# KiCad board Register File.kicad_pcb (continued)
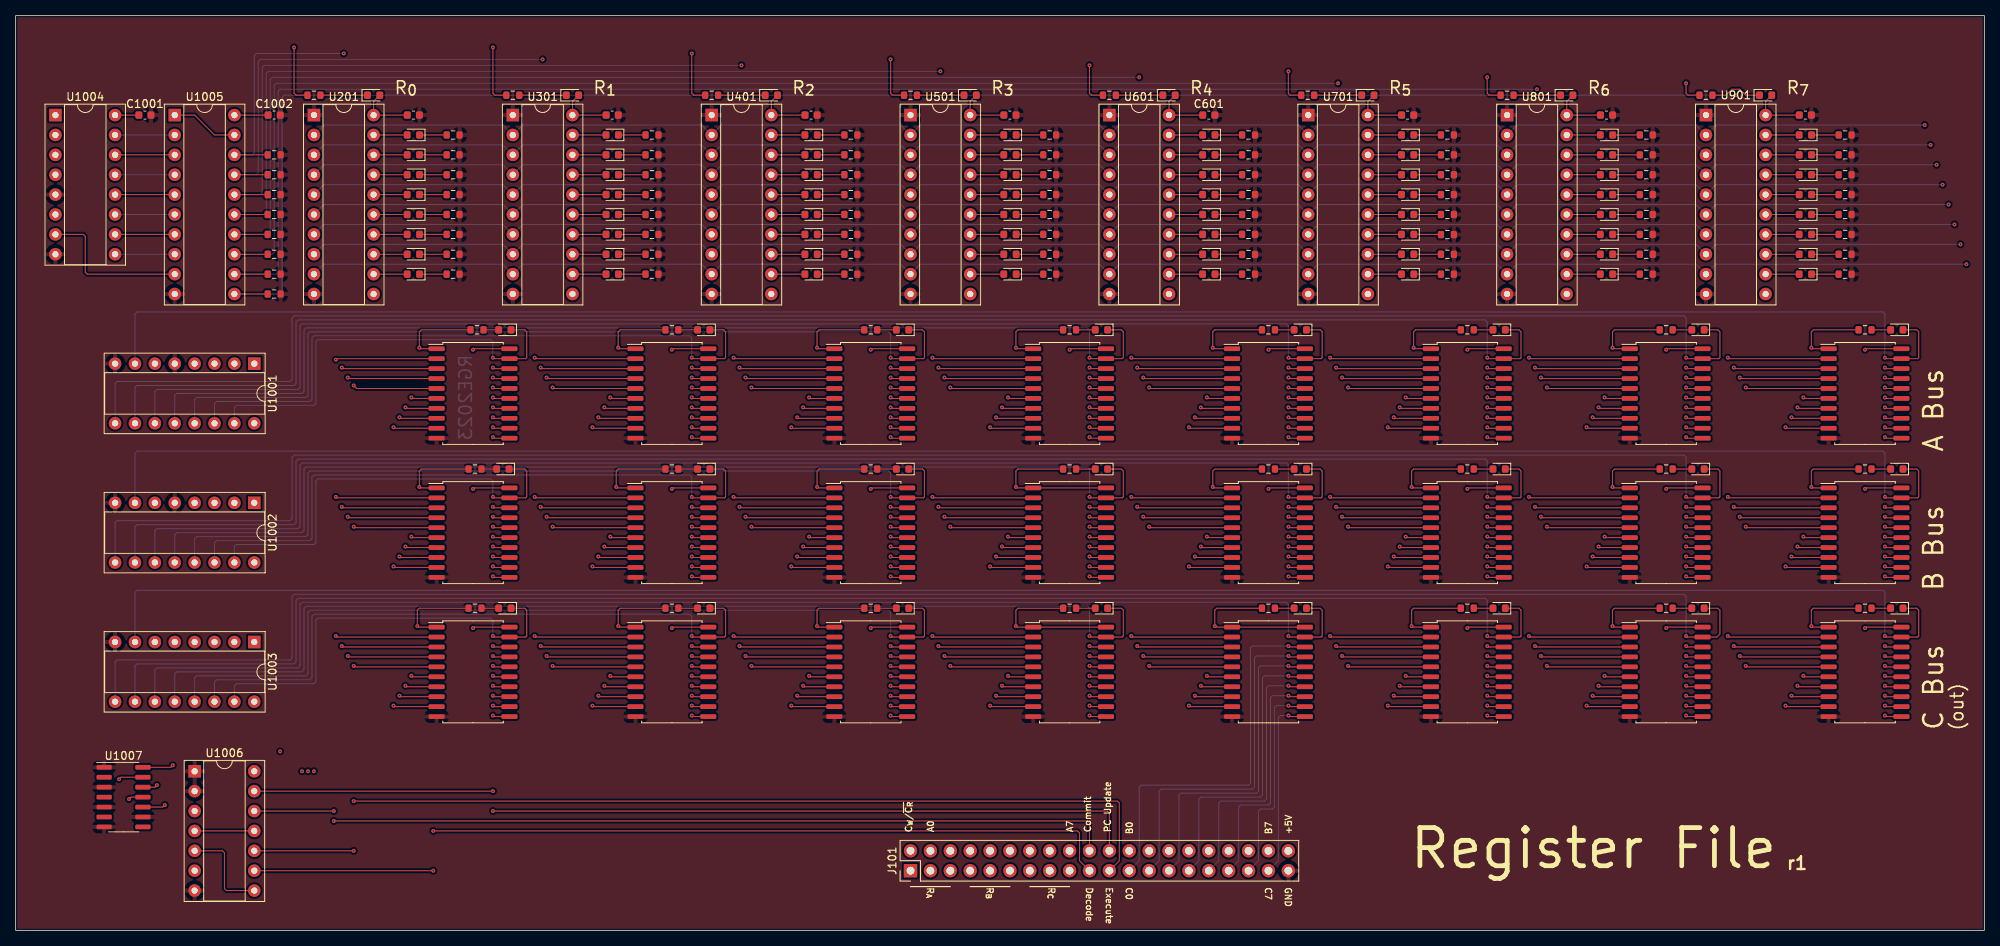
[diagram p0: board, top side]
## Routing (per net, layer and track width the routed paths; a pad name or vN(x,y) marks a point on that pad's centre or on a via; arc(x,y) is an arc through that point) (continued)
  In1.Cu w0.127: v1(193.29,37.59) v1(193.29,55.37) v1(193.29,73.15) 193.29,101.35 193.55,101.6 U801.19
/Register 6/r1: length 107.4
  Top w0.127: 206.17,71.75 194.18,71.75 v1(194.06,71.88) ; v1(194.06,36.32) 194.18,36.19 U804.3 ; U801.18 D802.2 ; v1(194.06,54.1) 194.18,53.97 U803.3
  In1.Cu w0.127: U801.18 194.31,99.06 194.06,98.81 v1(194.06,71.88) v1(194.06,54.1) v1(194.06,36.32)
/Register 6/r2: length 103.1
  Top w0.127: v1(194.82,52.83) 194.95,52.7 U803.4 ; U801.17 D803.2 ; U802.4 194.95,70.48 v1(194.82,70.61) ; U804.4 194.95,34.92 v1(194.82,35.05)
  In1.Cu w0.127: U801.17 195.07,96.52 194.82,96.27 v1(194.82,70.61) v1(194.82,52.83) v1(194.82,35.05)
/Register 6/r3: length 98.8
  Top w0.127: U803.5 195.71,51.43 v1(195.58,51.56) ; U802.5 195.71,69.21 v1(195.58,69.34) ; U801.16 D804.2 ; U804.5 195.71,33.65 v1(195.58,33.78)
  In1.Cu w0.127: U801.16 195.83,93.98 195.58,93.73 v1(195.58,69.34) v1(195.58,51.56) v1(195.58,33.78)
/Register 6/r4: length 77.7
  Top w0.127: U803.6 203.07,50.16 v1(202.95,50.29) ; v1(202.95,68.07) 203.07,67.94 U802.6 ; U804.6 203.07,32.38 v1(202.95,32.51) ; U801.15 D805.2
  In1.Cu w0.127: v1(202.95,32.51) v1(202.95,50.29) v1(202.95,68.07) 202.95,91.19 202.69,91.44 U801.15
/Register 6/r5: length 78
  Top w0.127: U803.7 202.31,48.89 v1(202.18,49.02) ; v1(202.18,66.8) 202.31,66.67 U802.7 ; v1(202.18,31.24) 202.31,31.11 U804.7 ; U801.14 D806.2
  In1.Cu w0.127: v1(202.18,31.24) v1(202.18,49.02) v1(202.18,66.8) 202.18,88.65 201.93,88.9 U801.14
/Register 6/r6: length 78.2
  Top w0.127: v1(201.42,65.53) 201.55,65.4 U802.8 ; v1(201.42,29.97) 201.55,29.84 U804.8 ; U801.13 D807.2 ; v1(201.42,47.75) 201.55,47.62 206.17,47.62
  In1.Cu w0.127: v1(201.42,29.97) v1(201.42,47.75) v1(201.42,65.53) 201.42,86.11 201.17,86.36 U801.13
/Register 6/r7: length 78.5
  Top w0.127: U802.9 200.79,64.13 v1(200.66,64.26) ; v1(200.66,28.7) 200.79,28.57 U804.9 ; v1(200.66,46.48) 200.79,46.35 U803.9 ; U801.12 D808.2
  In1.Cu w0.127: v1(200.66,28.7) v1(200.66,46.48) v1(200.66,64.26) 200.66,83.57 200.41,83.82 U801.12
/Register 7/r0: length 111.8
  Top w0.127: 231.57,55.24 218.82,55.24 v1(218.69,55.37) ; U901.19 D901.2 ; 231.57,37.46 218.82,37.46 v1(218.69,37.59) ; U902.2 218.82,73.02 v1(218.69,73.15)
  In1.Cu w0.127: v1(218.69,37.59) v1(218.69,55.37) v1(218.69,73.15) 218.69,101.35 218.95,101.6 U901.19
/Register 7/r1: length 107.4
  Top w0.127: v1(219.46,36.32) 219.58,36.19 U904.3 ; v1(219.46,54.1) 219.58,53.97 U903.3 ; U901.18 D902.2 ; v1(219.46,71.88) 219.58,71.75 231.57,71.75
  In1.Cu w0.127: U901.18 219.71,99.06 219.46,98.81 v1(219.46,71.88) v1(219.46,54.1) v1(219.46,36.32)
/Register 7/r2: length 103.1
  Top w0.127: v1(220.22,70.61) 220.34,70.48 U902.4 ; v1(220.22,52.83) 220.34,52.7 U903.4 ; v1(220.22,35.05) 220.34,34.92 U904.4 ; U901.17 D903.2
  In1.Cu w0.127: U901.17 220.47,96.52 220.22,96.27 v1(220.22,70.61) v1(220.22,52.83) v1(220.22,35.05)
/Register 7/r3: length 98.8
  Top w0.127: v1(220.98,33.78) 221.11,33.65 U904.5 ; U901.16 D904.2 ; v1(220.98,51.56) 221.11,51.43 U903.5 ; v1(220.98,69.34) 221.11,69.21 U902.5
  In1.Cu w0.127: U901.16 221.23,93.98 220.98,93.73 v1(220.98,69.34) v1(220.98,51.56) v1(220.98,33.78)
/Register 7/r4: length 77.7
  Top w0.127: v1(228.35,32.51) 228.47,32.38 U904.6 ; U903.6 228.47,50.16 v1(228.35,50.29) ; U902.6 228.47,67.94 v1(228.35,68.07) ; D905.2 U901.15
  In1.Cu w0.127: v1(228.35,32.51) v1(228.35,50.29) v1(228.35,68.07) 228.35,91.19 228.09,91.44 U901.15
/Register 7/r5: length 78
  Top w0.127: v1(227.58,66.8) 227.71,66.67 U902.7 ; U903.7 227.71,48.89 v1(227.58,49.02) ; U904.7 227.71,31.11 v1(227.58,31.24) ; D906.2 U901.14
  In1.Cu w0.127: v1(227.58,31.24) v1(227.58,49.02) v1(227.58,66.8) 227.58,88.65 227.33,88.9 U901.14
/Register 7/r6: length 78.2
  Top w0.127: U904.8 226.95,29.84 v1(226.82,29.97) ; U902.8 226.95,65.4 v1(226.82,65.53) ; 231.57,47.62 226.95,47.62 v1(226.82,47.75) ; D907.2 U901.13
  In1.Cu w0.127: v1(226.82,29.97) v1(226.82,47.75) v1(226.82,65.53) 226.82,86.11 226.57,86.36 U901.13
/Register 7/r7: length 78.5
  Top w0.127: U904.9 226.19,28.57 v1(226.06,28.7) ; U903.9 226.19,46.35 v1(226.06,46.48) ; v1(226.06,64.26) 226.19,64.13 U902.9 ; U901.12 D908.2
  In1.Cu w0.127: U901.12 225.81,83.82 226.06,83.57 v1(226.06,64.26) v1(226.06,46.48) v1(226.06,28.7)
/Selectors/C_{Write}0: length 65.3
  Top w0.127: U1005.18 32.2,99.06
  In2.Cu w0.127: U201.11 42.16,81.28 41.91,81.53 v1(41.91,112.01)
  Bottom w0.127: U1005.18 30.23,99.06 30.48,99.31 30.48,111.76 30.73,112.01 v1(41.91,112.01)
/Selectors/C_{Write}1: length 91.7
  Top w0.127: U1005.17 32.2,96.52
  In2.Cu w0.127: U301.11 67.56,81.28 67.31,81.53 v1(67.31,111.25)
  Bottom w0.127: v1(67.31,111.25) 31.24,111.25 30.99,111 30.99,96.77 30.73,96.52 U1005.17
/Selectors/C_{Write}2: length 118.1
  Top w0.127: U1005.16 32.2,93.98
  In2.Cu w0.127: U401.11 92.96,81.28 92.71,81.53 v1(92.71,110.49)
  Bottom w0.127: U1005.16 31.24,93.98 31.5,94.23 31.5,110.24 31.75,110.49 v1(92.71,110.49)
/Selectors/C_{Write}3: length 144.5
  Top w0.127: U1005.15 32.2,91.44
  In2.Cu w0.127: U501.11 118.36,81.28 118.11,81.53 v1(118.11,109.73)
  Bottom w0.127: v1(118.11,109.73) 32.26,109.73 32,109.47 32,91.69 31.75,91.44 U1005.15
/Selectors/C_{Write}4: length 170.9
  Top w0.127: U1005.14 32.2,88.9
  In2.Cu w0.127: U601.11 143.76,81.28 143.51,81.53 v1(143.51,108.97)
  Bottom w0.127: v1(143.51,108.97) 32.77,108.97 32.51,108.71 32.51,89.15 32.26,88.9 U1005.14
/Selectors/C_{Write}5: length 197.4
  Top w0.127: U1005.13 32.2,86.36
  In2.Cu w0.127: v1(168.91,108.2) 168.91,81.53 169.16,81.28 U701.11
  Bottom w0.127: v1(168.91,108.2) 33.27,108.2 33.02,107.95 33.02,86.61 32.77,86.36 U1005.13
/Selectors/C_{Write}6: length 223.8
  Top w0.127: U1005.12 32.2,83.82
  In2.Cu w0.127: U801.11 194.56,81.28 194.31,81.53 v1(194.31,107.44)
  Bottom w0.127: v1(194.31,107.44) 33.78,107.44 33.53,107.19 33.53,84.07 33.27,83.82 U1005.12
/Selectors/C_{Write}7: length 250.2
  Top w0.127: U1005.11 32.2,81.28
  In2.Cu w0.127: U901.11 219.96,81.28 219.71,81.53 v1(219.71,106.68)
  Bottom w0.127: v1(219.71,106.68) 34.29,106.68 34.04,106.43 34.04,81.53 33.78,81.28 U1005.11
/Selectors/C_{W}/~{C_{R}}: length 194.7
  In1.Cu w0.127: J101.2 114.3,22.61 114.05,22.86 v1(33.78,22.86)
  In2.Cu w0.127: v1(33.78,22.86) 33.78,31.24 33.53,31.5 20.57,31.5 20.32,31.75 U1003.5 20.32,40.39 20.07,40.64 2.79,40.64 2.54,40.89 2.54,91.19 2.79,91.44 U1004.6
/Selectors/Co: length 111.6
  Top w0.127: J101.20 137.16,13.72 136.91,13.97 v1(40.64,13.97) ; U1006.12 v1(40.64,15.24)
  In1.Cu w0.127: v1(40.64,13.97) v1(40.64,15.24)
/Selectors/De: length 115.9
  Top w0.127: U1006.9 v1(53.34,7.62) ; J101.19 135.89,8.89 135.89,12.45 135.64,12.7 v1(53.34,12.7)
  In1.Cu w0.127: v1(53.34,7.62) v1(53.34,12.7)
/Selectors/Ex: length 152.2
  Top w0.127: U1007.11 14.73,17.02 v1(14.48,16.76) ; J101.21 140.97,8.89 140.97,16.26 140.72,16.51 v1(43.18,16.51) ; U1006.10 v1(43.18,10.16)
  In1.Cu w0.127: v1(43.18,10.16) v1(43.18,16.51)
  In2.Cu w0.127: v1(14.48,16.76) 14.48,9.14 14.73,8.89 29.21,8.89 U1006.10
/Selectors/PC: length 116.7
  Top w0.127: v1(60.96,15.24) 139.45,15.24 139.7,14.99 J101.22 ; U1006.13 v1(60.96,17.78)
  In1.Cu w0.127: v1(60.96,15.24) v1(60.96,17.78)
/Selectors/R_{A}0: length 153.1
  In2.Cu w0.127: J101.1 114.3,5.33 114.05,5.08 40.13,5.08 39.88,5.33 39.88,68.83 39.62,69.09 30.73,69.09 30.48,69.34 U1001.1
/Selectors/R_{A}1: length 159.2
  In2.Cu w0.127: U1001.2 27.94,68.83 28.19,68.58 39.12,68.58 39.37,68.33 39.37,4.83 39.62,4.57 116.59,4.57 116.84,4.83 J101.3
/Selectors/R_{A}2: length 165.3
  In2.Cu w0.127: U1001.3 25.4,68.33 25.65,68.07 38.61,68.07 38.86,67.82 38.86,4.32 39.12,4.06 119.13,4.06 119.38,4.32 J101.5
/Selectors/R_{B}0: length 142.6
  In1.Cu w0.127: v1(38.1,20.32) 38.1,18.03 37.85,17.78 37.85,5.59 38.1,5.33 121.67,5.33 121.92,5.59 J101.7
  In2.Cu w0.127: v1(38.1,20.32) 38.1,22.61 37.85,22.86 37.85,51.05 37.59,51.31 30.73,51.31 30.48,51.56 U1002.1
/Selectors/R_{B}1: length 148.5
  In1.Cu w0.127: v1(37.34,20.32) 37.34,5.08 37.59,4.83 124.21,4.83 124.46,5.08 J101.9
  In2.Cu w0.127: U1002.2 27.94,51.05 28.19,50.8 37.08,50.8 37.34,50.55 v1(37.34,20.32)
/Selectors/R_{B}2: length 154.8
  In1.Cu w0.127: J101.11 127,4.57 126.75,4.32 37.08,4.32 36.83,4.57 36.83,17.78 36.58,18.03 v1(36.58,20.32)
  In2.Cu w0.127: v1(36.58,20.32) 36.58,22.61 36.83,22.86 36.83,50.04 36.58,50.29 25.65,50.29 25.4,50.55 U1002.3
/Selectors/R_{C}0: length 228.1
  In2.Cu w0.127: U1004.1 7.87,104.14 8.13,103.89 8.13,43.18 8.38,42.93 30.23,42.93 30.48,42.67 U1003.1 30.48,33.78 30.73,33.53 35.56,33.53 35.81,33.27 35.81,3.81 36.07,3.56 129.29,3.56 129.54,3.81 J101.13
/Selectors/R_{C}1: length 229.1
  In2.Cu w0.127: U1004.2 7.37,101.6 7.62,101.35 7.62,42.67 7.87,42.42 27.69,42.42 27.94,42.16 U1003.2 27.94,33.27 28.19,33.02 35.05,33.02 35.31,32.77 35.31,3.3 35.56,3.05 131.83,3.05 132.08,3.3 J101.15
/Selectors/R_{C}2: length 229.9
  In2.Cu w0.127: J101.17 134.62,2.79 134.37,2.54 35.05,2.54 34.8,2.79 34.8,32.26 34.54,32.51 25.91,32.51 25.4,33.02 U1003.3 25.4,41.66 25.15,41.91 7.37,41.91 7.11,42.16 7.11,98.81 6.86,99.06 U1004.3
/Selectors/W0: length 49
  Top w0.127: 37.28,106.68 35.81,106.68 35.56,106.93 v1(35.56,112.78)
  In1.Cu w0.127: U1004.15 14.48,101.6 14.73,101.85 14.73,112.52 14.99,112.78 v1(35.56,112.78)
  Bottom w0.127: U1004.15 U1005.2
/Selectors/W1: length 76.5
  Top w0.127: v1(60.96,112.78) 60.96,106.93 61.21,106.68 R1010.1 ; U1004.14 U1005.3
  In1.Cu w0.127: v1(60.96,112.78) 36.58,112.78 35.81,112.01 15.49,112.01 15.24,111.76 15.24,99.31 14.99,99.06 U1004.14
/Selectors/W2: length 102.9
  Top w0.127: v1(86.36,112.01) 86.36,106.93 86.61,106.68 88.08,106.68
  In1.Cu w0.127: v1(86.36,112.01) 61.98,112.01 61.21,111.25 16,111.25 15.75,111 15.75,96.77 15.49,96.52 U1004.13
  Bottom w0.127: U1004.13 U1005.4
/Selectors/W3: length 129.3
  Top w0.127: U1004.12 U1005.5 ; v1(111.76,111.25) 111.76,106.93 112.01,106.68 R1012.1
  In1.Cu w0.127: v1(111.76,111.25) 87.38,111.25 86.61,110.49 16.51,110.49 16.26,110.24 16.26,94.23 16,93.98 U1004.12
/Selectors/W4: length 155.8
  Top w0.127: R1013.1 137.41,106.68 137.16,106.93 v1(137.16,110.49)
  In1.Cu w0.127: U1004.11 16.51,91.44 16.76,91.69 16.76,109.47 17.02,109.73 112.01,109.73 112.78,110.49 v1(137.16,110.49)
  Bottom w0.127: U1004.11 U1005.6
/Selectors/W5: length 182.1
  Top w0.127: R1014.1 162.81,106.68 162.56,106.93 v1(162.56,109.73) ; U1004.10 U1005.7
  In1.Cu w0.127: v1(162.56,109.73) 138.18,109.73 137.41,108.97 17.53,108.97 17.27,108.71 17.27,89.15 17.02,88.9 U1004.10
/Selectors/W6: length 208.6
  Top w0.127: v1(187.96,108.97) 187.96,106.93 188.21,106.68 R1015.1
  In1.Cu w0.127: v1(187.96,108.97) 163.58,108.97 162.81,108.2 18.03,108.2 17.78,107.95 17.78,86.61 17.53,86.36 U1004.9
  Bottom w0.127: U1004.9 U1005.8
/Selectors/W7: length 243.9
  Top w0.127: R1016.1 213.61,106.68 213.36,106.93 v1(213.36,108.2) ; U1005.9 9.14,83.82 8.89,84.07 8.89,88.65 8.64,88.9 U1004.7
  In1.Cu w0.127: U1005.9 18.54,83.82 18.29,84.07 18.29,107.19 18.54,107.44 188.21,107.44 188.98,108.2 v1(213.36,108.2)
/Selectors/~{A_{select}}0: length 55.2
  Top w0.127: D209.1 65.02,76.71 65.28,76.45 65.28,73.15 65.15,73.02 U202.19 61.09,73.02 v1(60.96,73.15)
  Bottom w0.127: v1(60.96,73.15) 60.96,75.18 60.71,75.44 38.61,75.44 38.35,75.18 38.35,67.31 38.1,67.06 28.19,67.06 27.94,66.8 U1001.15
/Selectors/~{A_{select}}1: length 84.2
  Top w0.127: v1(86.36,73.15) 86.49,73.02 U302.19 90.55,73.02 90.68,73.15 90.68,76.45 90.42,76.71 D309.1
  Bottom w0.127: U1001.14 25.4,67.31 25.65,67.56 37.59,67.56 37.85,67.82 37.85,75.69 38.1,75.95 86.11,75.95 86.36,75.69 v1(86.36,73.15)
/Selectors/~{A_{select}}2: length 113.1
  Top w0.127: v1(111.76,73.15) 111.89,73.02 U402.19 115.95,73.02 116.08,73.15 116.08,76.45 115.82,76.71 D409.1
  Bottom w0.127: U1001.13 22.86,67.82 23.11,68.07 37.08,68.07 37.34,68.33 37.34,76.2 37.59,76.45 111.51,76.45 111.76,76.2 v1(111.76,73.15)
/Selectors/~{A_{select}}3: length 142.1
  Top w0.127: D509.1 141.22,76.71 141.48,76.45 141.48,73.15 141.35,73.02 U502.19 137.29,73.02 v1(137.16,73.15)
  Bottom w0.127: v1(137.16,73.15) 137.16,76.71 136.91,76.96 37.08,76.96 36.83,76.71 36.83,68.83 36.58,68.58 20.57,68.58 20.32,68.33 U1001.12
/Selectors/~{A_{select}}4: length 171
  Top w0.127: v1(162.56,73.15) 162.69,73.02 U602.19 166.75,73.02 166.88,73.15 166.88,76.45 166.62,76.71 D609.1
  Bottom w0.127: U1001.11 17.78,68.83 18.03,69.09 36.07,69.09 36.32,69.34 36.32,77.22 36.58,77.47 162.31,77.47 162.56,77.22 v1(162.56,73.15)
/Selectors/~{A_{select}}5: length 200
  Top w0.127: v1(187.96,73.15) 188.09,73.02 U702.19 192.15,73.02 192.28,73.15 192.28,76.45 192.02,76.71 D709.1
  Bottom w0.127: U1001.10 15.24,69.34 15.49,69.6 35.56,69.6 35.81,69.85 35.81,77.72 36.07,77.98 187.71,77.98 187.96,77.72 v1(187.96,73.15)
/Selectors/~{A_{select}}6: length 229
  Top w0.127: v1(213.36,73.15) 213.49,73.02 U802.19 217.55,73.02 217.68,73.15 217.68,76.45 217.42,76.71 D809.1
  Bottom w0.127: U1001.9 12.7,69.85 12.95,70.1 35.05,70.1 35.31,70.36 35.31,78.23 35.56,78.49 213.11,78.49 213.36,78.23 v1(213.36,73.15)
/Selectors/~{A_{select}}7: length 245.5
  Top w0.127: v1(238.76,73.15) 238.89,73.02 U902.19 242.95,73.02 243.08,73.15 243.08,76.45 242.82,76.71 D909.1
  Bottom w0.127: v1(238.76,73.15) 238.76,78.74 238.51,78.99 15.49,78.99 15.24,78.74 U1001.7
/Selectors/~{Active}: length 106.4
  Top w0.127: v1(18.03,18.54) 17.78,18.29 U1007.12
  In1.Cu w0.127: U1004.4 3.81,96.52 2.54,95.25 2.54,78.74 3.81,77.47 21.59,77.47 22.86,76.2 U1001.4 24.13,71.12 24.13,55.88 U1002.4 24.13,53.34 24.13,38.1 U1003.4 21.59,35.56 21.59,26.67 21.34,26.42 18.29,26.42 18.03,26.16 v1(18.03,18.54)
/Selectors/~{B_{select}}0: length 55.5
  Top w0.127: D211.1 65.02,58.93 65.28,58.67 65.28,55.37 65.15,55.24 61.09,55.24 v1(60.96,55.37)
  Bottom w0.127: v1(60.96,55.37) 60.96,57.4 60.71,57.66 38.61,57.66 38.35,57.4 38.35,49.53 38.1,49.28 28.19,49.28 27.94,49.02 U1002.15
/Selectors/~{B_{select}}1: length 84.2
  Top w0.127: v1(86.36,55.37) 86.49,55.24 90.55,55.24 90.68,55.37 90.68,58.67 90.42,58.93 D311.1
  Bottom w0.127: v1(86.36,55.37) 86.36,57.91 86.11,58.17 38.1,58.17 37.85,57.91 37.85,50.04 37.59,49.78 25.65,49.78 25.4,49.53 U1002.14
/Selectors/~{B_{select}}2: length 113.1
  Top w0.127: v1(111.76,55.37) 111.89,55.24 115.95,55.24 116.08,55.37 116.08,58.67 115.82,58.93 D411.1
  Bottom w0.127: v1(111.76,55.37) 111.76,58.42 111.51,58.67 37.59,58.67 37.34,58.42 37.34,50.55 37.08,50.29 23.11,50.29 22.86,50.04 U1002.13
/Selectors/~{B_{select}}3: length 142.1
  Top w0.127: v1(137.16,55.37) 137.29,55.24 141.35,55.24 141.48,55.37 141.48,58.67 141.22,58.93 D511.1
  Bottom w0.127: v1(137.16,55.37) 137.16,58.93 136.91,59.18 37.08,59.18 36.83,58.93 36.83,51.05 36.58,50.8 20.57,50.8 20.32,50.55 U1002.12
/Selectors/~{B_{select}}4: length 171
  Top w0.127: D611.1 166.62,58.93 166.88,58.67 166.88,55.37 166.75,55.24 162.69,55.24 v1(162.56,55.37)
  Bottom w0.127: U1002.11 17.78,51.05 18.03,51.31 36.07,51.31 36.32,51.56 36.32,59.44 36.58,59.69 162.31,59.69 162.56,59.44 v1(162.56,55.37)
/Selectors/~{B_{select}}5: length 200
  Top w0.127: D711.1 192.02,58.93 192.28,58.67 192.28,55.37 192.15,55.24 188.09,55.24 v1(187.96,55.37)
  Bottom w0.127: v1(187.96,55.37) 187.96,59.94 187.71,60.2 36.07,60.2 35.81,59.94 35.81,52.07 35.56,51.82 15.49,51.82 15.24,51.56 U1002.10
/Selectors/~{B_{select}}6: length 229
  Top w0.127: D811.1 217.42,58.93 217.68,58.67 217.68,55.37 217.55,55.24 213.49,55.24 v1(213.36,55.37)
  Bottom w0.127: U1002.9 12.7,52.07 12.95,52.32 35.05,52.32 35.31,52.58 35.31,60.45 35.56,60.71 213.11,60.71 213.36,60.45 v1(213.36,55.37)
/Selectors/~{B_{select}}7: length 245.5
  Top w0.127: D911.1 242.82,58.93 243.08,58.67 243.08,55.37 242.95,55.24 238.89,55.24 v1(238.76,55.37)
  Bottom w0.127: U1002.7 15.24,60.96 15.49,61.21 238.51,61.21 238.76,60.96 v1(238.76,55.37)
/Selectors/~{C_{select}}0: length 55.2
  Top w0.127: v1(60.96,37.59) 61.09,37.46 65.15,37.46 65.28,37.59 65.28,40.89 65.02,41.15 D210.1
  Bottom w0.127: U1003.15 27.94,31.24 28.19,31.5 38.1,31.5 38.35,31.75 38.35,39.62 38.61,39.88 60.71,39.88 60.96,39.62 v1(60.96,37.59)
/Selectors/~{C_{select}}1: length 84.2
  Top w0.127: v1(86.36,37.59) 86.49,37.46 90.55,37.46 90.68,37.59 90.68,40.89 90.42,41.15 D310.1
  Bottom w0.127: v1(86.36,37.59) 86.36,40.13 86.11,40.39 38.1,40.39 37.85,40.13 37.85,32.26 37.59,32 25.65,32 25.4,31.75 U1003.14
/Selectors/~{C_{select}}2: length 113.1
  Top w0.127: D410.1 115.82,41.15 116.08,40.89 116.08,37.59 115.95,37.46 111.89,37.46 v1(111.76,37.59)
  Bottom w0.127: U1003.13 22.86,32.26 23.11,32.51 37.08,32.51 37.34,32.77 37.34,40.64 37.59,40.89 111.51,40.89 111.76,40.64 v1(111.76,37.59)
/Selectors/~{C_{select}}3: length 142.1
  Top w0.127: v1(137.16,37.59) 137.29,37.46 141.35,37.46 141.48,37.59 141.48,40.89 141.22,41.15 D510.1
  Bottom w0.127: U1003.12 20.32,32.77 20.57,33.02 36.58,33.02 36.83,33.27 36.83,41.15 37.08,41.4 136.91,41.4 137.16,41.15 v1(137.16,37.59)
/Selectors/~{C_{select}}4: length 171
  Top w0.127: v1(162.56,37.59) 162.69,37.46 166.75,37.46 166.88,37.59 166.88,40.89 166.62,41.15 D610.1
  Bottom w0.127: U1003.11 17.78,33.27 18.03,33.53 36.07,33.53 36.32,33.78 36.32,41.66 36.58,41.91 162.31,41.91 162.56,41.66 v1(162.56,37.59)
/Selectors/~{C_{select}}5: length 200
  Top w0.127: v1(187.96,37.59) 188.09,37.46 192.15,37.46 192.28,37.59 192.28,40.89 192.02,41.15 D710.1
  Bottom w0.127: U1003.10 15.24,33.78 15.49,34.04 35.56,34.04 35.81,34.29 35.81,42.16 36.07,42.42 187.71,42.42 187.96,42.16 v1(187.96,37.59)
/Selectors/~{C_{select}}6: length 228.8
  Top w0.127: v1(213.36,37.59) 213.49,37.46 217.3,37.46 217.68,37.85 217.68,40.89 217.42,41.15 D810.1
  Bottom w0.127: U1003.9 12.7,34.29 12.95,34.54 35.05,34.54 35.31,34.8 35.31,42.67 35.56,42.93 213.11,42.93 213.36,42.67 v1(213.36,37.59)
/Selectors/~{C_{select}}7: length 245.5
  Top w0.127: v1(238.76,37.59) 238.89,37.46 242.95,37.46 243.08,37.59 243.08,40.89 242.82,41.15 D910.1
  Bottom w0.127: v1(238.76,37.59) 238.76,43.18 238.51,43.43 15.49,43.43 15.24,43.18 U1003.7
/Selectors/~{Execute}: length 115.2
  Top w0.127: U1007.10 18.8,15.75 v1(19.05,16) ; U1005.1 22.86,104.14 25.4,101.6 U1005.19
  In1.Cu w0.127: v1(19.05,16) 19.05,23.62 19.3,23.88 32.77,23.88 33.02,24.13 33.02,100.33 31.75,101.6 U1005.19
Net-(D201-K): length 3.5
  Top w0.127: D201.1 R201.2
Net-(D202-K): length 3.5
  Top w0.127: D202.1 R202.2
Net-(D203-K): length 3.5
  Top w0.127: D203.1 R203.2
Net-(D204-K): length 3.5
  Top w0.127: D204.1 R204.2
Net-(D205-K): length 3.5
  Top w0.127: D205.1 R205.2
Net-(D206-K): length 3.5
  Top w0.127: D206.1 R206.2
Net-(D207-K): length 3.5
  Top w0.127: D207.1 R207.2
Net-(D208-K): length 3.5
  Top w0.127: D208.1 R208.2
Net-(D209-A): length 1.9
  Top w0.127: R209.1 D209.2
Net-(D210-A): length 2.2
  Top w0.127: D210.2 R210.1
Net-(D211-A): length 1.9
  Top w0.127: R211.1 D211.2
Net-(D301-K): length 3.5
  Top w0.127: D301.1 R301.2
Net-(D302-K): length 3.5
  Top w0.127: D302.1 R302.2
Net-(D303-K): length 3.5
  Top w0.127: D303.1 R303.2
Net-(D304-K): length 3.5
  Top w0.127: D304.1 R304.2
Net-(D305-K): length 3.5
  Top w0.127: D305.1 R305.2
Net-(D306-K): length 3.5
  Top w0.127: D306.1 R306.2
Net-(D307-K): length 3.5
  Top w0.127: D307.1 R307.2
Net-(D308-K): length 3.5
  Top w0.127: D308.1 R308.2
Net-(D309-A): length 2.5
  Top w0.127: R309.1 D309.2
Net-(D310-A): length 2.5
  Top w0.127: R310.1 D310.2
Net-(D311-A): length 2.5
  Top w0.127: D311.2 R311.1
Net-(D401-K): length 3.5
  Top w0.127: D401.1 105.86,101.6
Net-(D402-K): length 3.5
  Top w0.127: D402.1 105.86,99.06
Net-(D403-K): length 3.5
  Top w0.127: D403.1 105.86,96.52
Net-(D404-K): length 3.5
  Top w0.127: D404.1 105.86,93.98
Net-(D405-K): length 3.5
  Top w0.127: D405.1 105.86,91.44
Net-(D406-K): length 3.5
  Top w0.127: D406.1 105.86,88.9
Net-(D407-K): length 3.5
  Top w0.127: D407.1 105.86,86.36
Net-(D408-K): length 3.5
  Top w0.127: D408.1 105.86,83.82
Net-(D409-A): length 2.5
  Top w0.127: R409.1 D409.2
Net-(D410-A): length 2.5
  Top w0.127: D410.2 R410.1
Net-(D411-A): length 2.5
  Top w0.127: R411.1 D411.2
Net-(D501-K): length 3.5
  Top w0.127: D501.1 R501.2
Net-(D502-K): length 3.5
  Top w0.127: D502.1 R502.2
Net-(D503-K): length 3.5
  Top w0.127: D503.1 R503.2
Net-(D504-K): length 3.5
  Top w0.127: D504.1 R504.2
Net-(D505-K): length 3.5
  Top w0.127: D505.1 R505.2
Net-(D506-K): length 3.5
  Top w0.127: D506.1 R506.2
Net-(D507-K): length 3.5
  Top w0.127: D507.1 R507.2
Net-(D508-K): length 3.5
  Top w0.127: D508.1 R508.2
Net-(D509-A): length 2.5
  Top w0.127: R509.1 D509.2
Net-(D510-A): length 2.5
  Top w0.127: D510.2 R510.1
Net-(D511-A): length 2.5
  Top w0.127: R511.1 D511.2
Net-(D601-K): length 3.5
  Top w0.127: D601.1 R601.2
Net-(D602-K): length 3.5
  Top w0.127: D602.1 R602.2
Net-(D603-K): length 3.5
  Top w0.127: D603.1 R603.2
Net-(D604-K): length 3.5
  Top w0.127: D604.1 R604.2
Net-(D605-K): length 3.5
  Top w0.127: D605.1 R605.2
Net-(D606-K): length 3.5
  Top w0.127: D606.1 R606.2
Net-(D607-K): length 3.5
  Top w0.127: D607.1 156.62,86.36 R607.2
Net-(D608-K): length 3.5
  Top w0.127: D608.1 R608.2
Net-(D609-A): length 2.5
  Top w0.127: D609.2 R609.1
Net-(D610-A): length 2.5
  Top w0.127: R610.1 D610.2
Net-(D611-A): length 2.5
  Top w0.127: R611.1 D611.2
Net-(D701-K): length 3.5
  Top w0.127: D701.1 R701.2
Net-(D702-K): length 3.5
  Top w0.127: D702.1 R702.2
Net-(D703-K): length 3.5
  Top w0.127: D703.1 R703.2
Net-(D704-K): length 3.5
  Top w0.127: D704.1 R704.2
Net-(D705-K): length 3.5
  Top w0.127: D705.1 R705.2
Net-(D706-K): length 3.5
  Top w0.127: R706.2 182.03,88.9 D706.1
Net-(D707-K): length 3.5
  Top w0.127: D707.1 R707.2
Net-(D708-K): length 3.5
  Top w0.127: D708.1 R708.2
Net-(D709-A): length 2.5
  Top w0.127: R709.1 D709.2
Net-(D710-A): length 2.5
  Top w0.127: D710.2 R710.1
Net-(D711-A): length 2.5
  Top w0.127: D711.2 R711.1
Net-(D801-K): length 3.5
  Top w0.127: D801.1 R801.2
Net-(D802-K): length 3.5
  Top w0.127: D802.1 R802.2
Net-(D803-K): length 3.5
  Top w0.127: D803.1 R803.2
Net-(D804-K): length 3.5
  Top w0.127: D804.1 R804.2
Net-(D805-K): length 3.5
  Top w0.127: D805.1 R805.2
Net-(D806-K): length 3.5
  Top w0.127: D806.1 R806.2
Net-(D807-K): length 3.5
  Top w0.127: D807.1 R807.2
Net-(D808-K): length 3.5
  Top w0.127: D808.1 R808.2
Net-(D809-A): length 2.5
  Top w0.127: R809.1 D809.2
Net-(D810-A): length 2.5
  Top w0.127: D810.2 R810.1
Net-(D811-A): length 2.5
  Top w0.127: D811.2 R811.1
Net-(D901-K): length 3.5
  Top w0.127: D901.1 R901.2
Net-(D902-K): length 3.5
  Top w0.127: D902.1 R902.2
Net-(D903-K): length 3.5
  Top w0.127: D903.1 R903.2
Net-(D904-K): length 3.5
  Top w0.127: D904.1 R904.2
Net-(D905-K): length 3.5
  Top w0.127: D905.1 R905.2
Net-(D906-K): length 3.5
  Top w0.127: D906.1 R906.2
Net-(D907-K): length 3.5
  Top w0.127: D907.1 R907.2
Net-(D908-K): length 3.5
  Top w0.127: D908.1 R908.2
Net-(D909-A): length 2.5
  Top w0.127: D909.2 R909.1
Net-(D910-A): length 2.5
  Top w0.127: R910.1 D910.2
Net-(D911-A): length 2.5
  Top w0.127: R911.1 D911.2
Net-(D1001-K): length 6
  Top w0.127: R1009.2 D1001.1
Net-(D1002-K): length 6
  Top w0.127: D1002.1 R1010.2
Net-(D1003-K): length 6
  Top w0.127: D1003.1 R1011.2
Net-(D1004-K): length 6
  Top w0.127: D1004.1 R1012.2
Net-(D1005-K): length 6
  Top w0.127: R1013.2 D1005.1
Net-(D1006-K): length 6.1
  Top w0.127: D1006.1 R1014.2
Net-(D1007-K): length 6
  Top w0.127: D1007.1 R1015.2
Net-(D1008-K): length 6.6
  Top w0.127: R1016.2 218.44,106.68 219.2,107.44 220.22,107.44 220.98,106.68 D1008.1
Net-(U1006-Pad5): length 12.4
  Top w0.127: U1006.5 26.42,10.16 26.67,9.91 26.67,5.33 26.92,5.08 U1006.8
Net-(U1006-Pad6): length 24.3
  Top w0.127: v1(13.21,19.3) 13.46,19.56 U1007.13
  In1.Cu w0.127: v1(13.21,19.3) 13.21,7.87 13.46,7.62 U1006.6
Net-(U1006-Pad11): length 7.6
  Top w0.127: U1006.11 U1006.4

## Copper pours and planes (outline as drawn; the poured copper is in the pictures)
+5V on Bottom: -88.9,205.74 317.5,205.74 317.5,-124.46 -88.9,-124.46
GND on Top: -7.62,124.46 256.54,124.46 256.54,-7.62 -7.62,-7.62
GND on In1.Cu: -15.24,132.08 266.7,132.08 266.7,-22.86 -15.24,-22.86
GND on In2.Cu: -38.1,154.94 292.1,154.94 292.1,-99.06 -38.1,-99.06

## Text on the board
Bottom: RGE2023
B.Silkscreen: JLCJLCJLCJLC
F.Silkscreen: C_{W}/~{C_{R}} | A0 | A7 | Commit | PC Update | B0 | B7 | +5V | R_{A} | R_{B} | R_{C} | Decode | Execute | C0 | C7 | GND | R_{0} | R_{1} | R_{2} | R_{3} | R_{4} | R_{5} | R_{6} | R_{7} | (out) | r${REVISION} | A Bus | B Bus | C Bus | Register File
